# Allegro board 8880F5-0823_RXTX.brd (continued)
## Routing (per net, layer and track width the routed paths; a pad name or vN(x,y) marks a point on that pad's centre or on a via; arc(x,y) is an arc through that point) (continued)
  L05_SIGNAL w0.074: 415.75,335.28 D109.A3 ; D109.A3 416.56,336.09 ; D109.A3 416.56,334.47 ; D109.A3 417.37,335.28 ; 165.1,339.55 CSDPS429.C15 ; CSDPS429.C15 165.91,340.36 ; CSDPS429.C15 164.29,340.36 ; CSDPS429.C15 165.1,341.17 ; 249.33,180.85 SITE3.G2 ; SITE3.G2 248.85,181.33 ; SITE3.G2 249.33,181.81 ; SITE3.G2 249.81,181.33 ; 330.2,85.65 D301.A10 ; D301.A10 330.2,87.07 ; D301.A10 329.49,86.36 ; D301.A10 330.91,86.36 ; 246.38,60.15 D123.B6 ; D123.B6 246.38,61.77 ; D123.B6 245.57,60.96 ; D123.B6 247.19,60.96 ; D127.A13 43.18,54.15 ; D127.A13 43.99,53.34 ; D127.A13 43.18,52.53 ; D127.A13 42.37,53.34 ; D128.B11 38.1,38.91 ; D128.B11 38.1,37.29 ; D128.B11 37.29,38.1 ; D128.B11 38.91,38.1 ; D111.A14 389.43,373.38 ; D111.A14 388.62,374.19 ; D111.A14 388.62,372.57 ; D111.A14 387.81,373.38 ; D113.A14 314.96,333.55 ; D113.A14 314.96,331.93 ; D113.A14 314.15,332.74 ; D113.A14 315.77,332.74 ; 256.54,55.07 D123.A10 ; D123.A10 257.35,55.88 ; D123.A10 255.73,55.88 ; D123.A10 256.54,56.69 ; D305.A12 408.94,87.07 ; D305.A12 409.65,86.36 ; D305.A12 408.94,85.65 ; D305.A12 408.23,86.36 ; 182.17,66.04 D318.A10 ; D318.A10 183.59,66.04 ; D318.A10 182.88,65.33 ; D318.A10 182.88,66.75 ; SITE2.G15 331.43,243.31 ; SITE2.G15 330.95,242.83 ; SITE2.G15 331.91,242.83 ; SITE2.G15 331.43,242.35 ; 413.21,373.38 D111.A4 ; D111.A4 414.02,374.19 ; D111.A4 414.02,372.57 ; D111.A4 414.83,373.38 ; 48.26,93.17 D125.A15 ; D125.A15 48.26,94.79 ; D125.A15 49.07,93.98 ; D125.A15 47.45,93.98 ; D125.A7 28.75,93.98 ; D125.A7 27.94,94.79 ; D125.A7 27.94,93.17 ; D125.A7 27.13,93.98 ; D118.A12 188.77,76.2 ; D118.A12 187.96,77.01 ; D118.A12 187.15,76.2 ; D118.A12 187.96,75.39 ; D127.B15 48.26,59.23 ; D127.B15 49.07,58.42 ; D127.B15 48.26,57.61 ; D127.B15 47.45,58.42 ; D322.A14 266.7,66.75 ; D322.A14 267.41,66.04 ; D322.A14 266.7,65.33 ; D322.A14 265.99,66.04 ; 339.55,393.7 D116.A4 ; D116.A4 340.36,392.89 ; D116.A4 340.36,394.51 ; D116.A4 341.17,393.7 ; 15.24,75.39 D126.A2 ; D126.A2 15.24,77.01 ; D126.A2 14.43,76.2 ; D126.A2 16.05,76.2 ; 167.64,85.65 D317.A4 ; D317.A4 167.64,87.07 ; D317.A4 166.93,86.36 ; D317.A4 168.35,86.36 ; D114.B1 347.98,351.33 ; D114.B1 348.79,350.52 ; D114.B1 347.17,350.52 ; D114.B1 347.98,349.71 ; 24.59,35.56 D128.A6 ; D128.A6 25.4,34.75 ; D128.A6 25.4,36.37 ; D128.A6 26.21,35.56 ; 337.01,350.52 D114.B5 ; D114.B5 337.82,351.33 ; D114.B5 337.82,349.71 ; D114.B5 338.63,350.52 ; D301.A6 320.04,87.07 ; D301.A6 319.33,86.36 ; D301.A6 320.75,86.36 ; D301.A6 320.04,85.65 ; 29.67,60.96 D127.B8 ; D127.B8 30.48,60.15 ; D127.B8 30.48,61.77 ; D127.B8 31.29,60.96 ; D119.A2 163.37,55.88 ; D119.A2 162.56,55.07 ; D119.A2 161.75,55.88 ; D119.A2 162.56,56.69 ; D321.B2 236.93,91.44 ; D321.B2 235.51,91.44 ; D321.B2 236.22,92.15 ; D321.B2 236.22,90.73 ; 261.62,65.33 D322.A12 ; D322.A12 261.62,66.75 ; D322.A12 260.91,66.04 ; D322.A12 262.33,66.04 ; D130.A3 91.44,74.47 ; D130.A3 92.25,73.66 ; D130.A3 91.44,72.85 ; D102.A15 342.9,74.47 ; D102.A15 342.09,73.66 ; D102.A15 342.9,72.85 ; D102.A15 343.71,73.66 ; 38.1,52.53 D127.A11 ; D127.A11 38.1,54.15 ; D127.A11 37.29,53.34 ; D127.A11 38.91,53.34 ; 327.66,57.61 D103.B9 ; D103.B9 326.85,58.42 ; D103.B9 327.66,59.23 ; D103.B9 328.47,58.42 ; 334.47,388.62 D116.B6 ; D116.B6 335.28,389.43 ; D116.B6 335.28,387.81 ; D116.B6 336.09,388.62 ; 312.42,354.79 D114.A15 ; D114.A15 313.23,355.6 ; D114.A15 312.42,356.41 ; D114.A15 311.61,355.6 ; D120.B13 191.31,38.1 ; D120.B13 190.5,38.91 ; D120.B13 190.5,37.29 ; D120.B13 189.69,38.1 ; 398.07,66.04 D306.A8 ; D306.A8 399.49,66.04 ; D306.A8 398.78,66.75 ; D306.A8 398.78,65.33 ; D102.B15 343.71,78.74 ; D102.B15 342.9,77.93 ; D102.B15 342.09,78.74 ; D102.B15 342.9,79.55 ; U2.4 98.08,219.15 ; U2.4 97.14,218.21 ; U2.4 97.14,220.09 ; U2.4 96.2,219.15 ; 246.38,65.33 D322.A6 ; D322.A6 246.38,66.75 ; D322.A6 247.09,66.04 ; D322.A6 245.67,66.04 ; 249.85,241.33 SITE1.G3 ; SITE1.G3 250.33,240.85 ; SITE1.G3 250.33,241.81 ; SITE1.G3 250.81,241.33 ; D231.B3 196.39,370.84 ; D231.B3 194.77,370.84 ; D231.B3 195.58,370.03 ; D231.B3 195.58,371.65 ; D123.A11 259.08,54.15 ; D123.A11 259.08,52.53 ; D123.A11 258.27,53.34 ; D123.A11 259.89,53.34 ; 235.41,332.74 CSDPS225.B16 ; CSDPS225.B16 236.22,331.93 ; CSDPS225.B16 237.03,332.74 ; CSDPS225.B16 236.22,333.55 ; D102.A9 327.66,74.47 ; D102.A9 328.47,73.66 ; D102.A9 327.66,72.85 ; D102.A9 326.85,73.66 ; D116.A15 312.42,397.05 ; D116.A15 312.42,395.43 ; D116.A15 311.61,396.24 ; D116.A15 313.23,396.24 ; 182.07,55.88 D119.A10 ; D119.A10 182.88,55.07 ; D119.A10 183.69,55.88 ; D119.A10 182.88,56.69 ; 396.24,77.93 D106.B7 ; D106.B7 396.24,79.55 ; D106.B7 395.43,78.74 ; D106.B7 397.05,78.74 ; 248.85,241.33 SITE1.G2 ; SITE1.G2 249.33,240.85 ; SITE1.G2 249.81,241.33 ; SITE1.G2 249.33,241.81 ; 401.32,375.11 D111.A9 ; D111.A9 400.51,375.92 ; D111.A9 401.32,376.73 ; D111.A9 402.13,375.92 ; D317.A12 188.67,86.36 ; D317.A12 187.96,87.07 ; D317.A12 187.25,86.36 ; D317.A12 187.96,85.65 ; 192.23,342.9 CSDPS429.B4 ; CSDPS429.B4 193.85,342.9 ; CSDPS429.B4 193.04,342.09 ; CSDPS429.B4 193.04,343.71 ; 314.25,71.12 D302.B4 ; D302.B4 314.96,70.41 ; D302.B4 315.67,71.12 ; D302.B4 314.96,71.83 ; 248.33,247.45 SITE1.G7 ; SITE1.G7 247.85,247.93 ; SITE1.G7 248.81,247.93 ; SITE1.G7 248.33,248.41 ; 325.12,34.75 D104.A8 ; D104.A8 325.93,35.56 ; D104.A8 324.31,35.56 ; D104.A8 325.12,36.37 ; 34.75,96.52 D125.A10 ; D125.A10 36.37,96.52 ; D125.A10 35.56,97.33 ; D125.A10 35.56,95.71 ; SITE4.G16 333.11,182.83 ; SITE4.G16 332.63,183.31 ; SITE4.G16 332.63,182.35 ; SITE4.G16 332.15,182.83 ; D129.B16 125.27,101.6 ; D129.B16 123.65,101.6 ; D129.B16 124.46,102.41 ; 237.95,33.02 D124.A3 ; D124.A3 238.76,33.83 ; D124.A3 238.76,32.21 ; D124.A3 239.57,33.02 ; 172.72,70.41 D318.B6 ; D318.B6 172.01,71.12 ; D318.B6 173.43,71.12 ; 391.16,67.87 D306.B5 ; D306.B5 391.16,69.29 ; D306.B5 391.87,68.58 ; D306.B5 390.45,68.58 ; D301.A9 327.66,84.53 ; D301.A9 328.37,83.82 ; D301.A9 326.95,83.82 ; D301.A9 327.66,83.11 ; D231.A15 165.91,375.92 ; D231.A15 164.29,375.92 ; D231.A15 165.1,375.11 ; D231.A15 165.1,376.73 ; D128.B4 20.32,41.45 ; D128.B4 20.32,39.83 ; D128.B4 21.13,40.64 ; D128.B4 19.51,40.64 ; 311.61,58.42 D103.B3 ; D103.B3 313.23,58.42 ; D103.B3 312.42,59.23 ; D103.B3 312.42,57.61 ; D108.A8 398.78,36.37 ; D108.A8 397.97,35.56 ; D108.A8 399.59,35.56 ; D108.A8 398.78,34.75 ; 340.36,347.17 D114.B4 ; D114.B4 339.55,347.98 ; D114.B4 340.36,348.79 ; D114.B4 341.17,347.98 ; D103.B13 338.63,58.42 ; D103.B13 337.82,59.23 ; D103.B13 337.82,57.61 ; D103.B13 337.01,58.42 ; D131.A2 89.71,55.88 ; D131.A2 88.9,55.07 ; D131.A2 88.09,55.88 ; D131.A2 88.9,56.69 ; D317.B10 183.59,91.44 ; D317.B10 182.88,90.73 ; D317.B10 182.88,92.15 ; D317.B10 182.17,91.44 ; 260.81,35.56 D124.A12 ; D124.A12 262.43,35.56 ; D124.A12 261.62,34.75 ; D124.A12 261.62,36.37 ; D431.A12 172.72,384.35 ; D431.A12 173.53,383.54 ; D431.A12 172.72,382.73 ; D431.A12 171.91,383.54 ; 195.58,67.87 D318.B15 ; D318.B15 196.29,68.58 ; D318.B15 195.58,69.29 ; D318.B15 194.87,68.58 ; 44.91,81.28 D126.B14 ; D126.B14 46.53,81.28 ; D126.B14 45.72,80.47 ; D126.B14 45.72,82.09 ; 268.43,340.36 CSDPS425.C3 ; CSDPS425.C3 269.24,341.17 ; CSDPS425.C3 269.24,339.55 ; CSDPS425.C3 270.05,340.36 ; 345.44,70.41 D302.B16 ; D302.B16 345.44,71.83 ; D302.B16 346.15,71.12 ; D302.B16 344.73,71.12 ; D317.A6 172.72,87.07 ; D317.A6 173.43,86.36 ; D317.A6 172.01,86.36 ; D317.A6 172.72,85.65 ; D322.A16 271.78,66.75 ; D322.A16 271.78,65.33 ; D322.A16 272.49,66.04 ; D322.A16 271.07,66.04 ; D122.A7 248.92,74.47 ; D122.A7 248.92,72.85 ; D122.A7 249.73,73.66 ; D122.A7 248.11,73.66 ; D125.B11 38.1,99.87 ; D125.B11 38.1,98.25 ; D125.B11 38.91,99.06 ; D125.B11 37.29,99.06 ; D114.A1 347.98,356.41 ; D114.A1 348.79,355.6 ; D114.A1 347.98,354.79 ; D114.A1 347.17,355.6 ; 252.33,180.85 SITE3.G5 ; SITE3.G5 251.85,181.33 ; SITE3.G5 252.81,181.33 ; SITE3.G5 252.33,181.81 ; 159.21,375.92 D231.A17 ; D231.A17 160.02,375.11 ; D231.A17 160.02,376.73 ; D231.A17 160.83,375.92 ; 174.55,68.58 D318.B7 ; D318.B7 175.26,69.29 ; D318.B7 175.97,68.58 ; D318.B7 175.26,67.87 ; D102.B6 320.04,82.09 ; D102.B6 319.23,81.28 ; D102.B6 320.85,81.28 ; D102.B6 320.04,80.47 ; DPS3.A05 244.65,13.97 ; DPS3.A05 243.84,14.78 ; DPS3.A05 243.03,13.97 ; DPS3.A05 243.84,13.16 ; D119.B15 196.39,58.42 ; D119.B15 194.77,58.42 ; D119.B15 195.58,57.61 ; 420.83,391.16 D112.B1 ; D112.B1 422.45,391.16 ; D112.B1 421.64,391.97 ; D112.B1 421.64,390.35 ; D318.B11 185.42,69.29 ; D318.B11 186.13,68.58 ; D318.B11 185.42,67.87 ; D318.B11 184.71,68.58 ; D128.A14 46.53,35.56 ; D128.A14 45.72,36.37 ; D128.A14 45.72,34.75 ; D128.A14 44.91,35.56 ; D123.A14 267.51,55.88 ; D123.A14 266.7,55.07 ; D123.A14 265.89,55.88 ; D123.A14 266.7,56.69 ; D126.B2 15.24,82.09 ; D126.B2 15.24,80.47 ; D126.B2 16.05,81.28 ; D126.B2 14.43,81.28 ; 114.3,60.15 D131.B12 ; D131.B12 114.3,61.77 ; D131.B12 113.49,60.96 ; D131.B12 115.11,60.96 ; D129.A10 109.22,97.33 ; D129.A10 108.41,96.52 ; D129.A10 110.03,96.52 ; D129.A10 109.22,95.71 ; D110.B1 421.64,351.33 ; D110.B1 422.45,350.52 ; D110.B1 420.83,350.52 ; D110.B1 421.64,349.71 ; 342.9,329.39 D113.B3 ; D113.B3 342.09,330.2 ; D113.B3 343.71,330.2 ; D113.B3 342.9,331.01 ; 236.22,70.41 D322.B2 ; D322.B2 236.93,71.12 ; D322.B2 235.51,71.12 ; D322.B2 236.22,71.83 ; 264.16,32.21 D124.A13 ; D124.A13 264.97,33.02 ; D124.A13 263.35,33.02 ; D124.A13 264.16,33.83 ; D431.B6 187.96,379.27 ; D431.B6 187.15,378.46 ; D431.B6 187.96,377.65 ; D431.B6 188.77,378.46 ; D431.A6 188.77,383.54 ; D431.A6 187.96,382.73 ; D431.A6 187.15,383.54 ; D431.A6 187.96,384.35 ; 408.94,347.17 D110.B6 ; D110.B6 408.13,347.98 ; D110.B6 408.94,348.79 ; D110.B6 409.75,347.98 ; D110.B2 419.91,347.98 ; D110.B2 419.1,347.17 ; D110.B2 418.29,347.98 ; D110.B2 419.1,348.79 ; 243.84,52.53 D123.A5 ; D123.A5 243.03,53.34 ; D123.A5 244.65,53.34 ; D123.A5 243.84,54.15 ; D431.A10 178.61,383.54 ; D431.A10 177.8,384.35 ; D431.A10 176.99,383.54 ; D431.A10 177.8,382.73 ; D305.B16 419.1,92.15 ; D305.B16 418.39,91.44 ; D305.B16 419.81,91.44 ; D305.B16 419.1,90.73 ; D122.B7 249.73,78.74 ; D122.B7 248.92,77.93 ; D122.B7 248.92,79.55 ; D122.B7 248.11,78.74 ; D109.B16 384.35,327.66 ; D109.B16 382.73,327.66 ; D109.B16 383.54,328.47 ; D109.B16 383.54,326.85 ; D114.A5 337.82,356.41 ; D114.A5 337.82,354.79 ; D114.A5 337.01,355.6 ; D114.A5 338.63,355.6 ; D301.A15 343.61,83.82 ; D301.A15 342.19,83.82 ; D301.A15 342.9,84.53 ; D301.A15 342.9,83.11 ; D130.A2 89.71,76.2 ; D130.A2 88.9,77.01 ; D130.A2 88.09,76.2 ; D130.A2 88.9,75.39 ; SITE2.G11 332.81,247.93 ; SITE2.G11 332.33,247.45 ; SITE2.G11 332.33,248.41 ; SITE2.G11 331.85,247.93 ; D104.A2 310.69,35.56 ; D104.A2 309.88,34.75 ; D104.A2 309.88,36.37 ; D104.A2 309.07,35.56 ; D301.B15 343.61,88.9 ; D301.B15 342.9,88.19 ; D301.B15 342.9,89.61 ; D301.B15 342.19,88.9 ; 248.11,340.36 CSDPS425.C11 ; CSDPS425.C11 249.73,340.36 ; CSDPS425.C11 248.92,339.55 ; CSDPS425.C11 248.92,341.17 ; D118.B14 193.04,82.09 ; D118.B14 193.85,81.28 ; D118.B14 192.23,81.28 ; D118.A15 196.39,73.66 ; D118.A15 194.77,73.66 ; D118.A15 195.58,72.85 ; D118.A15 195.58,74.47 ; 418.29,373.38 D111.A2 ; D111.A2 419.91,373.38 ; D111.A2 419.1,372.57 ; D111.A2 419.1,374.19 ; 169.37,386.08 D431.A13 ; D431.A13 170.18,386.89 ; D431.A13 170.18,385.27 ; D431.A13 170.99,386.08 ; 386.08,62.79 D306.A3 ; D306.A3 385.37,63.5 ; D306.A3 386.79,63.5 ; D306.A3 386.08,64.21 ; 180.34,32.21 D120.A9 ; D120.A9 180.34,33.83 ; D120.A9 179.53,33.02 ; D120.A9 181.15,33.02 ; D107.A7 397.05,53.34 ; D107.A7 395.43,53.34 ; D107.A7 396.24,54.15 ; D107.A7 396.24,52.53 ; D112.A4 414.02,394.51 ; D112.A4 414.02,392.89 ; D112.A4 414.83,393.7 ; D112.A4 413.21,393.7 ; D108.A1 381,33.83 ; D108.A1 381.81,33.02 ; D108.A1 380.19,33.02 ; D108.A1 381,32.21 ; DPS1.C01 381.81,19.05 ; DPS1.C01 381,19.86 ; DPS1.C01 380.19,19.05 ; DPS1.C01 381,18.24 ; SITE1.G5 252.33,241.81 ; SITE1.G5 252.81,241.33 ; SITE1.G5 251.85,241.33 ; SITE1.G5 252.33,240.85 ; D112.B4 414.02,389.43 ; D112.B4 413.21,388.62 ; D112.B4 414.02,387.81 ; D112.B4 414.83,388.62 ; 334.47,347.98 D114.B6 ; D114.B6 335.28,347.17 ; D114.B6 336.09,347.98 ; D114.B6 335.28,348.79 ; 329.33,240.85 SITE2.G2 ; SITE2.G2 329.33,241.81 ; SITE2.G2 328.85,241.33 ; SITE2.G2 329.81,241.33 ; D107.B11 406.4,59.23 ; D107.B11 406.4,57.61 ; D107.B11 407.21,58.42 ; D107.B11 405.59,58.42 ; D321.B14 267.41,91.44 ; D321.B14 265.99,91.44 ; D321.B14 266.7,90.73 ; D321.B14 266.7,92.15 ; 49.99,60.96 D127.B16 ; D127.B16 51.61,60.96 ; D127.B16 50.8,61.77 ; D127.B16 50.8,60.15 ; D131.B15 121.92,59.23 ; D131.B15 122.73,58.42 ; D131.B15 121.92,57.61 ; D131.B15 121.11,58.42 ; 413.31,66.04 D306.A14 ; D306.A14 414.02,66.75 ; D306.A14 414.73,66.04 ; D306.A14 414.02,65.33 ; 88.09,96.52 D129.A2 ; D129.A2 89.71,96.52 ; D129.A2 88.9,95.71 ; D129.A2 88.9,97.33 ; D109.A13 391.16,336.09 ; D109.A13 390.35,335.28 ; D109.A13 391.97,335.28 ; D109.A13 391.16,334.47 ; D302.A7 323.29,63.5 ; D302.A7 322.58,64.21 ; D302.A7 321.87,63.5 ; D302.A7 322.58,62.79 ; 164.29,78.74 D118.B3 ; D118.B3 165.1,77.93 ; D118.B3 165.91,78.74 ; D118.B3 165.1,79.55 ; D111.A7 406.4,376.73 ; D111.A7 407.21,375.92 ; D111.A7 405.59,375.92 ; D111.A7 406.4,375.11 ; D126.B4 21.13,81.28 ; D126.B4 20.32,82.09 ; D126.B4 20.32,80.47 ; D126.B4 19.51,81.28 ; 118.57,40.64 D132.B14 ; D132.B14 120.19,40.64 ; D132.B14 119.38,41.45 ; D431.A14 167.64,384.35 ; D431.A14 166.83,383.54 ; D431.A14 167.64,382.73 ; D431.A14 168.45,383.54 ; 172.72,331.93 CSDPS229.B12 ; CSDPS229.B12 171.91,332.74 ; CSDPS229.B12 172.72,333.55 ; CSDPS229.B12 173.53,332.74 ; 260.81,55.88 D123.A12 ; D123.A12 261.62,55.07 ; D123.A12 261.62,56.69 ; D123.A12 262.43,55.88 ; 383.54,80.47 D106.B2 ; D106.B2 384.35,81.28 ; D106.B2 382.73,81.28 ; D131.A4 93.98,56.69 ; D131.A4 93.98,55.07 ; D131.A4 94.79,55.88 ; 180.34,375.11 D231.A9 ; D231.A9 179.53,375.92 ; D231.A9 180.34,376.73 ; D231.A9 181.15,375.92 ; D126.A8 31.29,76.2 ; D126.A8 30.48,75.39 ; D126.A8 29.67,76.2 ; D126.A8 30.48,77.01 ; 309.17,86.36 D301.A2 ; D301.A2 309.88,85.65 ; D301.A2 310.59,86.36 ; D301.A2 309.88,87.07 ; D103.B1 308.15,58.42 ; D103.B1 307.34,57.61 ; D103.B1 306.53,58.42 ; D103.B1 307.34,59.23 ; D231.B7 185.42,371.65 ; D231.B7 185.42,370.03 ; D231.B7 184.61,370.84 ; D231.B7 186.23,370.84 ; 86.36,57.61 D131.B1 ; D131.B1 86.36,59.23 ; D131.B1 87.17,58.42 ; D131.B1 85.55,58.42 ; 408.94,387.81 D112.B6 ; D112.B6 409.75,388.62 ; D112.B6 408.13,388.62 ; D112.B6 408.94,389.43 ; 114.3,95.71 D129.A12 ; D129.A12 113.49,96.52 ; D129.A12 115.11,96.52 ; D129.A12 114.3,97.33 ; SITE1.G16 252.63,243.31 ; SITE1.G16 252.15,242.83 ; SITE1.G16 253.11,242.83 ; SITE1.G16 252.63,242.35 ; 38.1,77.93 D126.B11 ; D126.B11 37.29,78.74 ; D126.B11 38.91,78.74 ; D126.B11 38.1,79.55 ; 344.73,91.44 D301.B16 ; D301.B16 346.15,91.44 ; D301.B16 345.44,92.15 ; D301.B16 345.44,90.73 ; D125.A4 21.13,96.52 ; D125.A4 19.51,96.52 ; D125.A4 20.32,97.33 ; D125.A4 20.32,95.71 ; 260.81,60.96 D123.B12 ; D123.B12 261.62,61.77 ; D123.B12 261.62,60.15 ; D123.B12 262.43,60.96 ; D109.B15 386.08,331.01 ; D109.B15 386.89,330.2 ; D109.B15 386.08,329.39 ; D109.B15 385.27,330.2 ; 255.83,71.12 D322.B10 ; D322.B10 256.54,70.41 ; D322.B10 257.25,71.12 ; D322.B10 256.54,71.83 ; D120.A8 177.8,36.37 ; D120.A8 178.61,35.56 ; D120.A8 177.8,34.75 ; D120.A8 176.99,35.56 ; 199.85,340.36 CSDPS429.C1 ; CSDPS429.C1 200.66,339.55 ; CSDPS429.C1 200.66,341.17 ; CSDPS429.C1 201.47,340.36 ; 113.49,35.56 D132.A12 115.11,35.56 ; D118.A7 175.26,74.47 ; D118.A7 174.45,73.66 ; D118.A7 176.07,73.66 ; D118.A7 175.26,72.85 ; D102.B2 310.69,81.28 ; D102.B2 309.88,80.47 ; D102.B2 309.07,81.28 ; S3_I2C.4 84.25,209.04 ; S3_I2C.4 83.31,208.1 ; S3_I2C.4 82.37,209.04 ; S3_I2C.4 83.31,209.98 ; 165.1,380.19 D431.B15 ; D431.B15 165.91,381 ; D431.B15 164.29,381 ; D431.B15 165.1,381.81 ; 198.12,372.57 D231.A2 ; D231.A2 197.31,373.38 ; D231.A2 198.12,374.19 ; D231.A2 198.93,373.38 ; 24.59,76.2 D126.A6 ; D126.A6 25.4,77.01 ; D126.A6 26.21,76.2 ; D126.A6 25.4,75.39 ; D103.B11 332.74,59.23 ; D103.B11 333.55,58.42 ; D103.B11 331.93,58.42 ; D103.B11 332.74,57.61 ; 329.39,347.98 D114.B8 ; D114.B8 330.2,347.17 ; D114.B8 331.01,347.98 ; D114.B8 330.2,348.79 ; D124.B7 249.73,38.1 ; D124.B7 248.92,37.29 ; D124.B7 248.11,38.1 ; D124.B7 248.92,38.91 ; 42.37,58.42 D127.B13 ; D127.B13 43.18,59.23 ; D127.B13 43.18,57.61 ; D127.B13 43.99,58.42 ; 241.3,60.15 D123.B4 ; D123.B4 241.3,61.77 ; D123.B4 242.11,60.96 ; D123.B4 240.49,60.96 ; 19.51,76.2 D126.A4 ; D126.A4 21.13,76.2 ; D126.A4 20.32,77.01 ; D126.A4 20.32,75.39 ; 386.08,72.85 D106.A3 ; D106.A3 386.89,73.66 ; D106.A3 386.08,74.47 ; D106.A3 385.27,73.66 ; D306.A12 408.94,66.75 ; D306.A12 408.94,65.33 ; D306.A12 408.23,66.04 ; D306.A12 409.65,66.04 ; D130.B16 124.46,82.09 ; D130.B16 123.65,81.28 ; D130.B16 125.27,81.28 ; D128.A4 20.32,36.37 ; D128.A4 21.13,35.56 ; D128.A4 20.32,34.75 ; D128.A4 19.51,35.56 ; SITE4.G13 329.51,182.83 ; SITE4.G13 329.03,182.35 ; SITE4.G13 328.55,182.83 ; SITE4.G13 329.03,183.31 ; 39.83,40.64 D128.B12 ; D128.B12 40.64,41.45 ; D128.B12 40.64,39.83 ; D128.B12 41.45,40.64 ; 179.53,330.2 CSDPS229.C9 ; CSDPS229.C9 180.34,329.39 ; CSDPS229.C9 180.34,331.01 ; CSDPS229.C9 181.15,330.2 ; D321.A2 236.93,86.36 ; D321.A2 236.22,87.07 ; D321.A2 235.51,86.36 ; D321.A2 236.22,85.65 ; D128.A8 31.29,35.56 ; D128.A8 29.67,35.56 ; D128.A8 30.48,34.75 ; D128.A8 30.48,36.37 ; D305.A7 396.24,84.53 ; D305.A7 396.95,83.82 ; D305.A7 395.53,83.82 ; D305.A7 396.24,83.11 ; D119.B8 177.8,61.77 ; D119.B8 178.61,60.96 ; D119.B8 177.8,60.15 ; D119.B8 176.99,60.96 ; D107.B5 391.97,58.42 ; D107.B5 391.16,57.61 ; D107.B5 391.16,59.23 ; D107.B5 390.35,58.42 ; D306.B1 381,69.29 ; D306.B1 381.71,68.58 ; D306.B1 381,67.87 ; D306.B1 380.29,68.58 ; 47.45,53.34 D127.A15 ; D127.A15 49.07,53.34 ; D127.A15 48.26,54.15 ; D127.A15 48.26,52.53 ; 421.64,329.39 D109.B1 ; D109.B1 422.45,330.2 ; D109.B1 420.83,330.2 ; D109.B1 421.64,331.01 ; D118.B6 172.72,82.09 ; D118.B6 173.53,81.28 ; D118.B6 171.91,81.28 ; 330.2,65.33 D302.A10 ; D302.A10 330.91,66.04 ; D302.A10 329.49,66.04 ; D302.A10 330.2,66.75 ; D322.B4 241.3,71.83 ; D322.B4 240.59,71.12 ; D322.B4 241.3,70.41 ; D322.B4 242.01,71.12 ; 481.55,171.51 UNK4U2.4 ; UNK4U2.4 482.49,170.56 ; UNK4U2.4 483.43,171.51 ; UNK4U2.4 482.49,172.45 ; D102.A11 333.55,73.66 ; D102.A11 332.74,72.85 ; D102.A11 332.74,74.47 ; D102.A11 331.93,73.66 ; D127.B2 16.05,60.96 ; D127.B2 14.43,60.96 ; D127.B2 15.24,61.77 ; D127.B2 15.24,60.15 ; 322.58,67.87 D302.B7 ; D302.B7 323.29,68.58 ; D302.B7 322.58,69.29 ; D302.B7 321.87,68.58 ; SITE3.G20 252.63,186.91 ; SITE3.G20 253.11,186.43 ; SITE3.G20 252.15,186.43 ; SITE3.G20 252.63,185.95 ; CSDPS425.B8 256.54,343.71 ; CSDPS425.B8 257.35,342.9 ; CSDPS425.B8 256.54,342.09 ; CSDPS425.B8 255.73,342.9 ; D112.A2 419.91,393.7 ; D112.A2 419.1,392.89 ; D112.A2 419.1,394.51 ; D112.A2 418.29,393.7 ; 172.01,91.44 D317.B6 ; D317.B6 173.43,91.44 ; D317.B6 172.72,92.15 ; D317.B6 172.72,90.73 ; D106.A1 381.81,73.66 ; D106.A1 381,74.47 ; D106.A1 381,72.85 ; D106.A1 380.19,73.66 ; 309.17,91.44 D301.B2 ; D301.B2 309.88,92.15 ; D301.B2 310.59,91.44 ; D301.B2 309.88,90.73 ; 342.09,355.6 D114.A3 ; D114.A3 342.9,354.79 ; D114.A3 343.71,355.6 ; D114.A3 342.9,356.41 ; D318.A6 172.72,66.75 ; D318.A6 172.72,65.33 ; D318.A6 173.43,66.04 ; D318.A6 172.01,66.04 ; 162.56,367.49 D231.B16 ; D231.B16 161.75,368.3 ; D231.B16 162.56,369.11 ; D231.B16 163.37,368.3 ; 197.31,35.56 D120.A16 ; D120.A16 198.93,35.56 ; D120.A16 198.12,34.75 ; D120.A16 198.12,36.37 ; 264.16,329.39 CSDPS225.C5 ; CSDPS225.C5 264.16,331.01 ; CSDPS225.C5 264.97,330.2 ; CSDPS225.C5 263.35,330.2 ; D132.B13 117.65,38.1 ; D132.B13 116.03,38.1 ; D132.B13 116.84,38.91 ; D132.B13 116.84,37.29 ; 337.82,414.48 DPS2.A05 ; DPS2.A05 337.01,415.29 ; DPS2.A05 338.63,415.29 ; DPS2.A05 337.82,416.1 ; 182.07,60.96 D119.B10 ; D119.B10 182.88,60.15 ; D119.B10 183.69,60.96 ; D119.B10 182.88,61.77 ; 171.91,373.38 D231.A12 ; D231.A12 172.72,374.19 ; D231.A12 172.72,372.57 ; D231.A12 173.53,373.38 ; 116.03,78.74 D130.B13 ; D130.B13 117.65,78.74 ; D130.B13 116.84,79.55 ; D130.B13 116.84,77.93 ; 330.33,247.45 SITE2.G9 ; SITE2.G9 329.85,247.93 ; SITE2.G9 330.33,248.41 ; SITE2.G9 330.81,247.93 ; D125.A9 33.83,93.98 ; D125.A9 33.02,93.17 ; D125.A9 33.02,94.79 ; D125.A9 32.21,93.98 ; D104.A15 342.9,33.83 ; D104.A15 342.09,33.02 ; D104.A15 343.71,33.02 ; D104.A15 342.9,32.21 ; 406.4,67.87 D306.B11 ; D306.B11 407.11,68.58 ; D306.B11 406.4,69.29 ; D306.B11 405.69,68.58 ; 334.47,368.3 D115.B6 ; D115.B6 336.09,368.3 ; D115.B6 335.28,367.49 ; D111.A6 409.75,373.38 ; D111.A6 408.13,373.38 ; D111.A6 408.94,372.57 ; D111.A6 408.94,374.19 ; 47.45,33.02 D128.A15 ; D128.A15 48.26,33.83 ; D128.A15 49.07,33.02 ; D128.A15 48.26,32.21 ; 331.93,335.28 D113.A7 ; D113.A7 332.74,336.09 ; D113.A7 332.74,334.47 ; D113.A7 333.55,335.28 ; 190.5,414.48 DPS8.A05 ; DPS8.A05 189.69,415.29 ; DPS8.A05 191.31,415.29 ; DPS8.A05 190.5,416.1 ; SITE4.G14 330.23,183.31 ; SITE4.G14 330.23,182.35 ; SITE4.G14 330.71,182.83 ; SITE4.G14 329.75,182.83 ; DPS2.C15 312.42,411.02 ; DPS2.C15 313.23,410.21 ; DPS2.C15 311.61,410.21 ; DPS2.C15 312.42,409.4 ; 418.29,388.62 D112.B2 ; D112.B2 419.1,389.43 ; D112.B2 419.1,387.81 ; D112.B2 419.91,388.62 ; 20.32,60.15 D127.B4 ; D127.B4 21.13,60.96 ; D127.B4 20.32,61.77 ; D127.B4 19.51,60.96 ; DPS2.C11 322.58,411.02 ; DPS2.C11 323.39,410.21 ; DPS2.C11 322.58,409.4 ; DPS2.C11 321.77,410.21 ; 335.28,326.85 D113.B6 ; D113.B6 336.09,327.66 ; D113.B6 335.28,328.47 ; D113.B6 334.47,327.66 ; 337.01,410.21 DPS2.C05 ; DPS2.C05 337.82,409.4 ; DPS2.C05 338.63,410.21 ; DPS2.C05 337.82,411.02 ; 330.33,187.45 SITE4.G9 ; SITE4.G9 330.81,187.93 ; SITE4.G9 330.33,188.41 ; SITE4.G9 329.85,187.93 ; D129.A4 94.79,96.52 ; D129.A4 93.98,97.33 ; D129.A4 93.98,95.71 ; D126.B5 23.67,78.74 ; D126.B5 22.86,79.55 ; D126.B5 22.05,78.74 ; D126.B5 22.86,77.93 ; 408.94,392.89 D112.A6 ; D112.A6 408.94,394.51 ; D112.A6 409.75,393.7 ; D112.A6 408.13,393.7 ; D317.B14 193.75,91.44 ; D317.B14 193.04,90.73 ; D317.B14 192.33,91.44 ; D317.B14 193.04,92.15 ; 270.97,332.74 CSDPS225.B2 ; CSDPS225.B2 271.78,333.55 ; CSDPS225.B2 272.59,332.74 ; CSDPS225.B2 271.78,331.93 ; D127.A4 21.13,55.88 ; D127.A4 20.32,55.07 ; D127.A4 20.32,56.69 ; D127.A4 19.51,55.88 ; D119.B4 167.64,61.77 ; D119.B4 168.45,60.96 ; D119.B4 167.64,60.15 ; D119.B4 166.83,60.96 ; 264.16,77.93 D122.B13 ; D122.B13 263.35,78.74 ; D122.B13 264.97,78.74 ; D122.B13 264.16,79.55 ; D128.A12 41.45,35.56 ; D128.A12 39.83,35.56 ; D128.A12 40.64,34.75 ; D128.A12 40.64,36.37 ; D321.A10 256.54,87.07 ; D321.A10 256.54,85.65 ; D321.A10 255.83,86.36 ; D321.A10 257.25,86.36 ; D301.B11 333.45,88.9 ; D301.B11 332.74,88.19 ; D301.B11 332.74,89.61 ; D301.B11 332.03,88.9 ; D318.A16 198.12,66.75 ; D318.A16 197.41,66.04 ; D318.A16 198.83,66.04 ; D318.A16 198.12,65.33 ; 403.86,367.49 D111.B8 ; D111.B8 404.67,368.3 ; D111.B8 403.05,368.3 ; D111.B8 403.86,369.11 ; D114.A2 346.25,353.06 ; D114.A2 345.44,352.25 ; D114.A2 345.44,353.87 ; D114.A2 344.63,353.06 ; 246.38,39.83 D124.B6 ; D124.B6 245.57,40.64 ; D124.B6 247.19,40.64 ; D124.B6 246.38,41.45 ; 194.77,386.08 D431.A3 ; D431.A3 195.58,385.27 ; D431.A3 196.39,386.08 ; D431.A3 195.58,386.89 ; D118.A16 198.93,76.2 ; D118.A16 197.31,76.2 ; D118.A16 198.12,77.01 ; D118.A16 198.12,75.39 ; 14.43,40.64 D128.B2 ; D128.B2 15.24,39.83 ; D128.B2 15.24,41.45 ; D128.B2 16.05,40.64 ; D322.A13 264.16,64.21 ; D322.A13 264.16,62.79 ; D322.A13 263.45,63.5 ; D322.A13 264.87,63.5 ; D127.A16 50.8,56.69 ; D127.A16 49.99,55.88 ; D127.A16 51.61,55.88 ; D127.A16 50.8,55.07 ; D431.A11 176.07,386.08 ; D431.A11 174.45,386.08 ; D431.A11 175.26,385.27 ; D431.A11 175.26,386.89 ; D109.B6 408.94,328.47 ; D109.B6 409.75,327.66 ; D109.B6 408.13,327.66 ; D109.B6 408.94,326.85 ; D119.A14 193.04,56.69 ; D119.A14 193.04,55.07 ; D119.A14 192.23,55.88 ; D119.A14 193.85,55.88 ; D132.B5 97.33,38.1 ; D132.B5 96.52,38.91 ; D132.B5 96.52,37.29 ; D132.B5 95.71,38.1 ; D111.A16 383.54,374.19 ; D111.A16 384.35,373.38 ; D111.A16 382.73,373.38 ; D111.A16 383.54,372.57 ; D127.A8 31.29,55.88 ; D127.A8 29.67,55.88 ; D127.A8 30.48,55.07 ; D127.A8 30.48,56.69 ; 269.24,67.87 D322.B15 ; D322.B15 269.24,69.29 ; D322.B15 268.53,68.58 ; D322.B15 269.95,68.58 ; D109.A15 386.89,335.28 ; D109.A15 386.08,336.09 ; D109.A15 386.08,334.47 ; D109.A15 385.27,335.28 ; D106.B14 414.02,82.09 ; D106.B14 414.02,80.47 ; D106.B14 413.21,81.28 ; D106.B14 414.83,81.28 ; 187.15,40.64 D120.B12 ; D120.B12 187.96,41.45 ; D120.B12 187.96,39.83 ; D120.B12 188.77,40.64 ; 172.72,55.07 D119.A6 ; D119.A6 173.53,55.88 ; D119.A6 171.91,55.88 ; D119.A6 172.72,56.69 ; 406.4,13.16 DPS1.A11 ; DPS1.A11 407.21,13.97 ; DPS1.A11 405.59,13.97 ; DPS1.A11 406.4,14.78 ; D126.B3 18.59,78.74 ; D126.B3 16.97,78.74 ; D126.B3 17.78,77.93 ; D126.B3 17.78,79.55 ; 326.85,33.02 D104.A9 ; D104.A9 327.66,32.21 ; D104.A9 328.47,33.02 ; D104.A9 327.66,33.83 ; D129.A8 104.14,97.33 ; D129.A8 104.14,95.71 ; D129.A8 104.95,96.52 ; D129.A8 103.33,96.52 ; 330.2,367.49 D115.B8 ; D115.B8 331.01,368.3 ; D115.B8 329.39,368.3 ; 319.33,66.04 D302.A6 ; D302.A6 320.04,65.33 ; D302.A6 320.04,66.75 ; D302.A6 320.75,66.04 ; D305.B7 396.95,88.9 ; D305.B7 395.53,88.9 ; D305.B7 396.24,88.19 ; D305.B7 396.24,89.61 ; 347.98,395.43 D116.A1 ; D116.A1 347.17,396.24 ; D116.A1 348.79,396.24 ; D116.A1 347.98,397.05 ; D322.A3 239.47,63.5 ; D322.A3 238.05,63.5 ; D322.A3 238.76,62.79 ; D322.A3 238.76,64.21 ; D106.B15 417.37,78.74 ; D106.B15 415.75,78.74 ; D106.B15 416.56,79.55 ; D106.B15 416.56,77.93 ; 184.61,33.02 D120.A11 ; D120.A11 186.23,33.02 ; D120.A11 185.42,33.83 ; D120.A11 185.42,32.21 ; D126.A10 36.37,76.2 ; D126.A10 35.56,75.39 ; D126.A10 35.56,77.01 ; D126.A10 34.75,76.2 ; D120.B10 182.88,41.45 ; D120.B10 182.88,39.83 ; D120.B10 183.69,40.64 ; D120.B10 182.07,40.64 ; D321.A4 242.01,86.36 ; D321.A4 241.3,85.65 ; D321.A4 240.59,86.36 ; D321.A4 241.3,87.07 ; D107.B9 401.32,59.23 ; D107.B9 400.51,58.42 ; D107.B9 401.32,57.61 ; D107.B9 402.13,58.42 ; 199.85,415.29 DPS8.A01 ; DPS8.A01 200.66,414.48 ; DPS8.A01 201.47,415.29 ; DPS8.A01 200.66,416.1 ; 337.82,72.85 D102.A13 ; D102.A13 337.01,73.66 ; D102.A13 337.82,74.47 ; D102.A13 338.63,73.66 ; 29.67,81.28 D126.B8 ; D126.B8 31.29,81.28 ; D126.B8 30.48,82.09 ; D126.B8 30.48,80.47 ; CSDPS425.B14 242.11,342.9 ; CSDPS425.B14 241.3,343.71 ; CSDPS425.B14 240.49,342.9 ; CSDPS425.B14 241.3,342.09 ; D116.A5 337.82,397.05 ; D116.A5 337.82,395.43 ; D116.A5 337.01,396.24 ; D116.A5 338.63,396.24 ; SITE4.G1 328.33,181.81 ; SITE4.G1 327.85,181.33 ; SITE4.G1 328.81,181.33 ; SITE4.G1 328.33,180.85 ; 233.68,18.24 DPS3.C01 ; DPS3.C01 232.87,19.05 ; DPS3.C01 234.49,19.05 ; DPS3.C01 233.68,19.86 ; D110.B8 403.86,348.79 ; D110.B8 403.05,347.98 ; D110.B8 403.86,347.17 ; D110.B8 404.67,347.98 ; 331.93,355.6 D114.A7 ; D114.A7 333.55,355.6 ; D114.A7 332.74,354.79 ; D114.A7 332.74,356.41 ; 110.95,93.98 D129.A11 ; D129.A11 111.76,94.79 ; D129.A11 112.57,93.98 ; D129.A11 111.76,93.17 ; 347.98,390.35 D116.B1 ; D116.B1 348.79,391.16 ; D116.B1 347.98,391.97 ; D116.B1 347.17,391.16 ; D321.B5 244.55,88.9 ; D321.B5 243.84,89.61 ; D321.B5 243.13,88.9 ; D321.B5 243.84,88.19 ; 385.37,68.58 D306.B3 ; D306.B3 386.79,68.58 ; D306.B3 386.08,67.87 ; D306.B3 386.08,69.29 ; D108.A7 396.24,33.83 ; D108.A7 396.24,32.21 ; D108.A7 395.43,33.02 ; D108.A7 397.05,33.02 ; 416.56,349.71 D110.B3 ; D110.B3 415.75,350.52 ; D110.B3 416.56,351.33 ; D110.B3 417.37,350.52 ; 245.67,86.36 D321.A6 ; D321.A6 246.38,85.65 ; D321.A6 246.38,87.07 ; D321.A6 247.09,86.36 ; 187.96,70.41 D318.B12 ; D318.B12 188.67,71.12 ; D318.B12 187.25,71.12 ; D321.B6 246.38,92.15 ; D321.B6 245.67,91.44 ; D321.B6 246.38,90.73 ; D321.B6 247.09,91.44 ; D104.B5 318.31,38.1 ; D104.B5 316.69,38.1 ; D104.B5 317.5,38.91 ; D104.B5 317.5,37.29 ; D125.B2 15.24,102.41 ; D125.B2 14.43,101.6 ; D125.B2 15.24,100.79 ; D125.B2 16.05,101.6 ; D317.B2 163.27,91.44 ; D317.B2 162.56,92.15 ; D317.B2 161.85,91.44 ; D317.B2 162.56,90.73 ; 413.21,353.06 D110.A4 ; D110.A4 414.02,353.87 ; D110.A4 414.83,353.06 ; D110.A4 414.02,352.25 ; D128.A10 36.37,35.56 ; D128.A10 35.56,36.37 ; D128.A10 35.56,34.75 ; D128.A10 34.75,35.56 ; D231.A13 170.99,375.92 ; D231.A13 170.18,376.73 ; D231.A13 170.18,375.11 ; D231.A13 169.37,375.92 ; 335.28,55.07 D103.A12 ; D103.A12 335.28,56.69 ; D103.A12 336.09,55.88 ; D103.A12 334.47,55.88 ; D106.B1 381.81,78.74 ; D106.B1 381,77.93 ; D106.B1 381,79.55 ; D106.B1 380.19,78.74 ; 316.69,396.24 D116.A13 ; D116.A13 318.31,396.24 ; D116.A13 317.5,395.43 ; D116.A13 317.5,397.05 ; 252.85,247.93 SITE1.G12 ; SITE1.G12 253.33,248.41 ; SITE1.G12 253.81,247.93 ; SITE1.G12 253.33,247.45 ; D118.B15 196.39,78.74 ; D118.B15 194.77,78.74 ; D118.B15 195.58,77.93 ; D118.B15 195.58,79.55 ; D302.A3 312.42,64.21 ; D302.A3 313.13,63.5 ; D302.A3 312.42,62.79 ; D302.A3 311.71,63.5 ; 324.41,71.12 D302.B8 ; D302.B8 325.12,71.83 ; D302.B8 325.12,70.41 ; D302.B8 325.83,71.12 ; D322.A15 269.95,63.5 ; D322.A15 269.24,64.21 ; D322.A15 269.24,62.79 ; D322.A15 268.53,63.5 ; 159.21,53.34 D119.A1 ; D119.A1 160.02,52.53 ; D119.A1 160.83,53.34 ; D119.A1 160.02,54.15 ; D321.B3 238.76,89.61 ; D321.B3 238.76,88.19 ; D321.B3 239.47,88.9 ; D321.B3 238.05,88.9 ; 233.68,67.87 D322.B1 ; D322.B1 234.39,68.58 ; D322.B1 232.97,68.58 ; D322.B1 233.68,69.29 ; 251.46,34.75 D124.A8 ; D124.A8 251.46,36.37 ; D124.A8 252.27,35.56 ; D124.A8 250.65,35.56 ; D106.B5 391.97,78.74 ; D106.B5 391.16,77.93 ; D106.B5 390.35,78.74 ; D106.B5 391.16,79.55 ; D108.B12 409.75,40.64 ; D108.B12 408.13,40.64 ; D108.B12 408.94,41.45 ; D108.B12 408.94,39.83 ; 311.71,83.82 D301.A3 ; D301.A3 312.42,84.53 ; D301.A3 313.13,83.82 ; 326.95,63.5 D302.A9 ; D302.A9 327.66,64.21 ; D302.A9 328.37,63.5 ; D302.A9 327.66,62.79 ; D113.B2 346.25,327.66 ; D113.B2 344.63,327.66 ; D113.B2 345.44,326.85 ; D113.B2 345.44,328.47 ; D321.A11 259.08,84.53 ; D321.A11 259.79,83.82 ; D321.A11 259.08,83.11 ; D321.A11 258.37,83.82 ; D318.A14 193.75,66.04 ; D318.A14 193.04,66.75 ; D318.A14 193.04,65.33 ; D318.A14 192.33,66.04 ; D124.A6 247.19,35.56 ; D124.A6 246.38,36.37 ; D124.A6 245.57,35.56 ; D124.A6 246.38,34.75 ; 317.5,32.21 D104.A5 ; D104.A5 317.5,33.83 ; D104.A5 316.69,33.02 ; D104.A5 318.31,33.02 ; D111.A1 422.45,375.92 ; D111.A1 421.64,375.11 ; D111.A1 421.64,376.73 ; D111.A1 420.83,375.92 ; 316.69,53.34 D103.A5 ; D103.A5 317.5,52.53 ; D103.A5 317.5,54.15 ; D103.A5 318.31,53.34 ; D317.B12 188.67,91.44 ; D317.B12 187.96,90.73 ; D317.B12 187.25,91.44 ; D317.B12 187.96,92.15 ; 405.69,83.82 D305.A11 ; D305.A11 407.11,83.82 ; D305.A11 406.4,84.53 ; D305.A11 406.4,83.11 ; D317.B8 177.8,92.15 ; D317.B8 177.8,90.73 ; D317.B8 177.09,91.44 ; D317.B8 178.51,91.44 ; 413.21,55.88 D107.A14 ; D107.A14 414.83,55.88 ; D107.A14 414.02,56.69 ; 330.85,187.93 SITE4.G10 ; SITE4.G10 331.33,188.41 ; SITE4.G10 331.33,187.45 ; SITE4.G10 331.81,187.93 ; D321.A5 244.55,83.82 ; D321.A5 243.84,83.11 ; D321.A5 243.13,83.82 ; D321.A5 243.84,84.53 ; 261.62,331.93 CSDPS225.B6 ; CSDPS225.B6 260.81,332.74 ; CSDPS225.B6 262.43,332.74 ; CSDPS225.B6 261.62,333.55 ; D106.B6 393.7,82.09 ; D106.B6 393.7,80.47 ; D106.B6 394.51,81.28 ; D106.B6 392.89,81.28 ; D123.A13 264.16,54.15 ; D123.A13 264.97,53.34 ; D123.A13 264.16,52.53 ; D123.A13 263.35,53.34 ; D104.A3 312.42,33.83 ; D104.A3 311.61,33.02 ; D104.A3 313.23,33.02 ; D104.A3 312.42,32.21 ; D130.A12 115.11,76.2 ; D130.A12 114.3,77.01 ; D130.A12 114.3,75.39 ; D130.A12 113.49,76.2 ; D118.A1 160.83,73.66 ; D118.A1 160.02,72.85 ; D118.A1 160.02,74.47 ; D118.A1 159.21,73.66 ; 14.43,35.56 D128.A2 ; D128.A2 16.05,35.56 ; D128.A2 15.24,36.37 ; D128.A2 15.24,34.75 ; SITE1.G6 253.81,241.33 ; SITE1.G6 252.85,241.33 ; SITE1.G6 253.33,240.85 ; SITE1.G6 253.33,241.81 ; 121.92,52.53 D131.A15 ; D131.A15 122.73,53.34 ; D131.A15 121.92,54.15 ; D131.A15 121.11,53.34 ; D124.B11 259.08,38.91 ; D124.B11 259.08,37.29 ; D124.B11 259.89,38.1 ; D124.B11 258.27,38.1 ; 164.29,33.02 D120.A3 ; D120.A3 165.1,33.83 ; D120.A3 165.91,33.02 ; D120.A3 165.1,32.21 ; 194.77,53.34 D119.A15 ; D119.A15 195.58,54.15 ; D119.A15 196.39,53.34 ; D119.A15 195.58,52.53 ; 403.05,35.56 D108.A10 ; D108.A10 404.67,35.56 ; D108.A10 403.86,36.37 ; D108.A10 403.86,34.75 ; D126.B13 43.99,78.74 ; D126.B13 43.18,77.93 ; D126.B13 43.18,79.55 ; D126.B13 42.37,78.74 ; 49.99,76.2 D126.A16 ; D126.A16 50.8,75.39 ; D126.A16 50.8,77.01 ; D126.A16 51.61,76.2 ; 332.63,245.95 SITE2.G20 ; SITE2.G20 332.63,246.91 ; SITE2.G20 333.11,246.43 ; SITE2.G20 332.15,246.43 ; D115.B3 343.71,370.84 ; D115.B3 342.9,370.03 ; D115.B3 342.09,370.84 ; D115.B3 342.9,371.65 ; DPS3.C15 269.24,19.86 ; DPS3.C15 269.24,18.24 ; DPS3.C15 270.05,19.05 ; DPS3.C15 268.43,19.05 ; 116.84,98.25 D129.B13 ; D129.B13 116.03,99.06 ; D129.B13 116.84,99.87 ; D129.B13 117.65,99.06 ; D128.A9 33.83,33.02 ; D128.A9 33.02,32.21 ; D128.A9 32.21,33.02 ; D128.A9 33.02,33.83 ; D109.B10 399.59,327.66 ; D109.B10 398.78,326.85 ; D109.B10 398.78,328.47 ; D109.B10 397.97,327.66 ; D118.A13 191.31,73.66 ; D118.A13 190.5,72.85 ; D118.A13 190.5,74.47 ; D118.A13 189.69,73.66 ; D131.B5 96.52,59.23 ; D131.B5 97.33,58.42 ; D131.B5 96.52,57.61 ; 35.56,39.83 D128.B10 ; D128.B10 34.75,40.64 ; D128.B10 35.56,41.45 ; D128.B10 36.37,40.64 ; D122.B3 239.57,78.74 ; D122.B3 238.76,79.55 ; D122.B3 238.76,77.93 ; D122.B3 237.95,78.74 ; 121.92,32.21 D132.A15 ; D132.A15 122.73,33.02 ; D132.A15 121.11,33.02 ; D132.A15 121.92,33.83 ; 180.34,380.19 D431.B9 ; D431.B9 179.53,381 ; D431.B9 180.34,381.81 ; D431.B9 181.15,381 ; 391.16,72.85 D106.A5 ; D106.A5 391.16,74.47 ; D106.A5 390.35,73.66 ; D106.A5 391.97,73.66 ; D321.B11 259.08,89.61 ; D321.B11 259.79,88.9 ; D321.B11 258.37,88.9 ; D321.B11 259.08,88.19 ; 264.16,83.11 D321.A13 ; D321.A13 264.16,84.53 ; D321.A13 264.87,83.82 ; D321.A13 263.45,83.82 ; D110.A7 406.4,356.41 ; D110.A7 406.4,354.79 ; D110.A7 407.21,355.6 ; D110.A7 405.59,355.6 ; 326.85,391.16 D116.B9 ; D116.B9 327.66,390.35 ; D116.B9 327.66,391.97 ; D116.B9 328.47,391.16 ; 243.84,32.21 D124.A5 ; D124.A5 243.84,33.83 ; D124.A5 244.65,33.02 ; D124.A5 243.03,33.02 ; 243.13,63.5 D322.A5 ; D322.A5 243.84,62.79 ; D322.A5 244.55,63.5 ; D322.A5 243.84,64.21 ; 48.26,72.85 D126.A15 ; D126.A15 47.45,73.66 ; D126.A15 49.07,73.66 ; D126.A15 48.26,74.47 ; 421.64,370.03 D111.B1 ; D111.B1 422.45,370.84 ; D111.B1 420.83,370.84 ; D111.B1 421.64,371.65 ; D113.B1 348.79,330.2 ; D113.B1 347.98,329.39 ; D113.B1 347.17,330.2 ; D113.B1 347.98,331.01 ; 339.55,55.88 D103.A14 ; D103.A14 340.36,56.69 ; D103.A14 341.17,55.88 ; D103.A14 340.36,55.07 ; 184.61,78.74 D118.B11 ; D118.B11 185.42,79.55 ; D118.B11 186.23,78.74 ; D118.B11 185.42,77.93 ; DPS2.A15 312.42,416.1 ; DPS2.A15 312.42,414.48 ; DPS2.A15 311.61,415.29 ; DPS2.A15 313.23,415.29 ; D113.A4 340.36,333.55 ; D113.A4 341.17,332.74 ; D113.A4 339.55,332.74 ; D113.A4 340.36,331.93 ; D106.A15 417.37,73.66 ; D106.A15 415.75,73.66 ; D106.A15 416.56,74.47 ; D106.A15 416.56,72.85 ; 35.56,60.15 D127.B10 ; D127.B10 35.56,61.77 ; D127.B10 34.75,60.96 ; D127.B10 36.37,60.96 ; D124.B1 233.68,38.91 ; D124.B1 232.87,38.1 ; D124.B1 234.49,38.1 ; D124.B1 233.68,37.29 ; D129.B11 112.57,99.06 ; D129.B11 110.95,99.06 ; D129.B11 111.76,98.25 ; D129.B11 111.76,99.87 ; D131.A13 117.65,53.34 ; D131.A13 116.84,54.15 ; D131.A13 116.84,52.53 ; D131.A13 116.03,53.34 ; 99.06,55.07 D131.A6 ; D131.A6 98.25,55.88 ; D131.A6 99.87,55.88 ; D131.A6 99.06,56.69 ; 260.91,91.44 D321.B12 ; D321.B12 261.62,92.15 ; D321.B12 261.62,90.73 ; D321.B12 262.33,91.44 ; 198.12,85.65 D317.A16 ; D317.A16 198.83,86.36 ; D317.A16 197.41,86.36 ; D317.A16 198.12,87.07 ; DPS1.A01 381,14.78 ; DPS1.A01 381.81,13.97 ; DPS1.A01 380.19,13.97 ; DPS1.A01 381,13.16 ; D302.A5 317.5,64.21 ; D302.A5 317.5,62.79 ; D302.A5 318.21,63.5 ; D302.A5 316.79,63.5 ; 27.94,72.85 D126.A7 ; D126.A7 27.13,73.66 ; D126.A7 28.75,73.66 ; D126.A7 27.94,74.47 ; 329.39,81.28 D102.B10 ; D102.B10 330.2,80.47 ; D102.B10 330.2,82.09 ; D102.B10 331.01,81.28 ; D132.B10 110.03,40.64 ; D132.B10 108.41,40.64 ; D132.B10 109.22,41.45 ; D103.A4 315.77,55.88 ; D103.A4 314.15,55.88 ; D103.A4 314.96,55.07 ; D103.A4 314.96,56.69 ; D115.A14 315.77,373.38 ; D115.A14 314.96,374.19 ; D115.A14 314.96,372.57 ; D115.A14 314.15,373.38 ; 311.61,78.74 D102.B3 ; D102.B3 312.42,77.93 ; D102.B3 312.42,79.55 ; D102.B3 313.23,78.74 ; D127.B7 28.75,58.42 ; D127.B7 27.94,57.61 ; D127.B7 27.94,59.23 ; D127.B7 27.13,58.42 ; 309.07,393.7 D116.A16 ; D116.A16 310.69,393.7 ; D116.A16 309.88,392.89 ; D116.A16 309.88,394.51 ; 406.4,52.53 D107.A11 ; D107.A11 405.59,53.34 ; D107.A11 407.21,53.34 ; D107.A11 406.4,54.15 ; D322.A11 259.08,64.21 ; D322.A11 258.37,63.5 ; D322.A11 259.08,62.79 ; D322.A11 259.79,63.5 ; D104.B7 323.39,38.1 ; D104.B7 322.58,37.29 ; D104.B7 321.77,38.1 ; D104.B7 322.58,38.91 ; D102.A6 320.04,77.01 ; D102.A6 320.85,76.2 ; D102.A6 319.23,76.2 ; D102.A6 320.04,75.39 ; 325.12,352.25 D114.A10 ; D114.A10 325.93,353.06 ; D114.A10 324.31,353.06 ; D114.A10 325.12,353.87 ; D106.A4 389.43,76.2 ; D106.A4 388.62,77.01 ; D106.A4 387.81,76.2 ; D106.A4 388.62,75.39 ; D123.B15 270.05,58.42 ; D123.B15 268.43,58.42 ; D123.B15 269.24,57.61 ; D123.B15 269.24,59.23 ; D302.B3 312.42,69.29 ; D302.B3 312.42,67.87 ; D302.B3 313.13,68.58 ; D302.B3 311.71,68.58 ; 166.83,332.74 CSDPS229.B14 ; CSDPS229.B14 167.64,331.93 ; CSDPS229.B14 168.45,332.74 ; CSDPS229.B14 167.64,333.55 ; 330.85,241.33 SITE2.G4 ; SITE2.G4 331.33,241.81 ; SITE2.G4 331.33,240.85 ; SITE2.G4 331.81,241.33 ; D124.A9 254.81,33.02 ; D124.A9 254,33.83 ; D124.A9 254,32.21 ; D124.A9 253.19,33.02 ; 189.69,33.02 D120.A13 ; D120.A13 190.5,32.21 ; D120.A13 190.5,33.83 ; D120.A13 191.31,33.02 ; CSDPS429.C11 175.26,341.17 ; CSDPS429.C11 175.26,339.55 ; CSDPS429.C11 174.45,340.36 ; CSDPS429.C11 176.07,340.36 ; 37.29,93.98 D125.A11 ; D125.A11 38.1,94.79 ; D125.A11 38.1,93.17 ; D125.A11 38.91,93.98 ; 334.47,353.06 D114.A6 ; D114.A6 336.09,353.06 ; D114.A6 335.28,353.87 ; D114.A6 335.28,352.25 ; D120.A4 167.64,36.37 ; D120.A4 167.64,34.75 ; D120.A4 168.45,35.56 ; D120.A4 166.83,35.56 ; 408.13,81.28 D106.B12 ; D106.B12 408.94,82.09 ; D106.B12 409.75,81.28 ; D106.B12 408.94,80.47 ; D305.B12 409.65,91.44 ; D305.B12 408.94,90.73 ; D305.B12 408.23,91.44 ; D305.B12 408.94,92.15 ; D306.B7 396.24,69.29 ; D306.B7 396.24,67.87 ; D306.B7 395.53,68.58 ; D306.B7 396.95,68.58 ; 249.03,182.35 SITE3.G13 ; SITE3.G13 248.55,182.83 ; SITE3.G13 249.03,183.31 ; SITE3.G13 249.51,182.83 ; D131.B4 93.98,61.77 ; D131.B4 93.98,60.15 ; D131.B4 94.79,60.96 ; D113.B16 310.69,327.66 ; D113.B16 309.88,326.85 ; D113.B16 309.07,327.66 ; D113.B16 309.88,328.47 ; D317.A3 165.81,83.82 ; D317.A3 165.1,84.53 ; D317.A3 164.39,83.82 ; D317.A3 165.1,83.11 ; D318.B16 198.83,71.12 ; D318.B16 197.41,71.12 ; D318.B16 198.12,70.41 ; 164.29,370.84 D231.B15 ; D231.B15 165.91,370.84 ; D231.B15 165.1,371.65 ; D231.B15 165.1,370.03 ; 393.7,75.39 D106.A6 ; D106.A6 394.51,76.2 ; D106.A6 392.89,76.2 ; D106.A6 393.7,77.01 ; 269.24,13.16 DPS3.A15 ; DPS3.A15 270.05,13.97 ; DPS3.A15 268.43,13.97 ; DPS3.A15 269.24,14.78 ; D318.A7 175.26,64.21 ; D318.A7 175.97,63.5 ; D318.A7 175.26,62.79 ; D318.A7 174.55,63.5 ; 271.78,90.73 D321.B16 ; D321.B16 271.07,91.44 ; D321.B16 271.78,92.15 ; D321.B16 272.49,91.44 ; 12.7,72.85 D126.A1 ; D126.A1 12.7,74.47 ; D126.A1 13.51,73.66 ; 123.65,96.52 D129.A16 ; D129.A16 125.27,96.52 ; D129.A16 124.46,97.33 ; D431.B1 201.47,381 ; D431.B1 199.85,381 ; D431.B1 200.66,381.81 ; D431.B1 200.66,380.19 ; D122.B9 254.81,78.74 ; D122.B9 253.19,78.74 ; D122.B9 254,77.93 ; D122.B9 254,79.55 ; 243.03,78.74 D122.B5 ; D122.B5 243.84,79.55 ; D122.B5 243.84,77.93 ; D122.B5 244.65,78.74 ; D107.B15 416.56,59.23 ; D107.B15 417.37,58.42 ; D107.B15 416.56,57.61 ; D107.B15 415.75,58.42 ; 342.9,57.61 D103.B15 ; D103.B15 342.9,59.23 ; D103.B15 343.71,58.42 ; D103.B15 342.09,58.42 ; 347.17,410.21 DPS2.C01 ; DPS2.C01 347.98,409.4 ; DPS2.C01 348.79,410.21 ; DPS2.C01 347.98,411.02 ; SITE2.G8 329.33,248.41 ; SITE2.G8 329.33,247.45 ; SITE2.G8 328.85,247.93 ; SITE2.G8 329.81,247.93 ; 397.97,373.38 D111.A10 ; D111.A10 398.78,372.57 ; D111.A10 398.78,374.19 ; D111.A10 399.59,373.38 ; D322.B12 262.33,71.12 ; D322.B12 261.62,71.83 ; D322.B12 261.62,70.41 ; D322.B12 260.91,71.12 ; D132.B9 106.68,38.91 ; D132.B9 106.68,37.29 